# KiCad board A0180_eol_ecu_mix.kicad_pcb (continued)
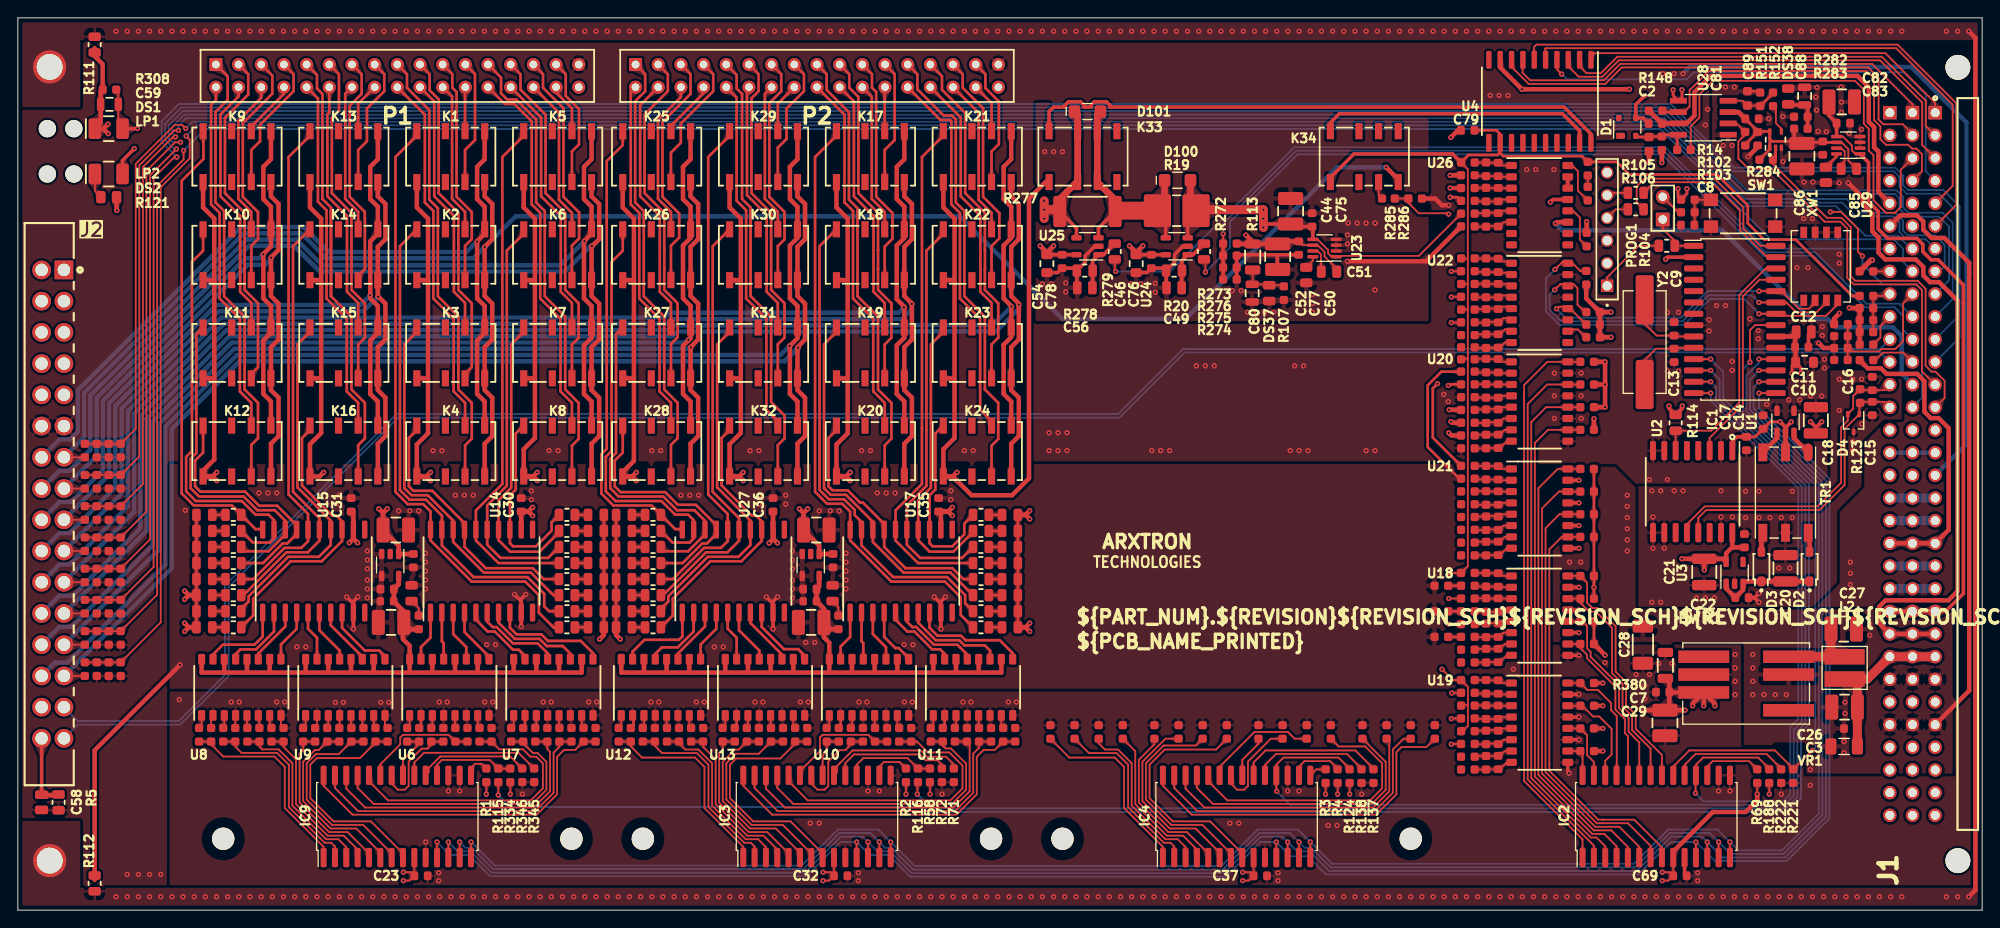
[diagram p0: board, top side]
## Routing (per net, layer and track width the routed paths; a pad name or vN(x,y) marks a point on that pad's centre or on a via; arc(x,y) is an arc through that point) (continued)
/IO_EXPANDER_#1/ISO_GPB3: length 5.9
  Top w0.3: 31.23,33.3 31.23,31.53 29.47,29.77 U8.9
/IO_EXPANDER_#1/ISO_GPB3a: length 27.9
  Top w0.3: K12.8 20.75,51.28 19.85,50.39 19.85,47.5 20.44,46.91 25.44,46.91 27.03,45.33 29.04,45.33 31.23,43.14 ; 31.23,42.15 30.18,41.1 29.66,41.1 27.46,38.9 R48.1
/IO_EXPANDER_#1/ISO_GPB4: length 5.6
  Top w0.3: U9.15 33.5,30.53 32.5,31.53 32.5,33.3
/IO_EXPANDER_#1/ISO_GPB4a: length 56.6
  Top w0.3: R49.1 26.36,37.1 29.86,40.6 31.75,40.6 32.5,41.35 32.5,44.4 30.32,46.58 30.32,84.41 32.72,86.8
/IO_EXPANDER_#1/ISO_GPB5: length 6.1
  Top w0.3: U9.13 36.04,29.1 33.77,31.37 33.77,33.3
/IO_EXPANDER_#1/ISO_GPB5a: length 47.9
  Top w0.3: 25.27,35.3 30.07,40.1 32.47,40.1 33.77,41.39 33.77,43.93 30.82,46.88 30.82,74.41 K14.8
/IO_EXPANDER_#1/ISO_GPB6: length 6.4
  Top w0.3: 35.04,33.3 35.04,31.94 38.58,28.39
/IO_EXPANDER_#1/ISO_GPB6a: length 39.3
  Top w0.3: 25.02,33.78 25.85,34.61 25.85,35.17 30.28,39.6 33.72,39.6 35.04,40.92 35.04,43.66 31.32,47.38 31.32,63.41 32.72,64.8
/IO_EXPANDER_#1/ISO_GPB7: length 7.8
  Top w0.3: 41.12,28.45 40.47,29.1 38.85,29.1 36.31,31.64 36.31,33.3
/IO_EXPANDER_#1/ISO_GPB7a: length 31.3
  Top w0.3: R52.1 26.35,33.03 26.35,34.9 30.55,39.1 34.04,39.1 36.31,41.37 36.31,43.59 35.7,44.2 35.21,44.2 31.82,47.59 31.82,52.91 32.72,53.8
/IO_EXPANDER_#2/A1: length 3.5
  Top w0.2: R2.1 98.74,16.6 97,16.6 96.49,16.08
/IO_EXPANDER_#2/GPA0: length 5.3
  Top w0.2: IC3.21 90.13,17.33 90.6,17.8 R73.1 R53.1
/IO_EXPANDER_#2/GPA1: length 9.9
  Top w0.2: 88.87,14.19 89.55,13.5 90.35,13.5 90.77,13.92 90.77,16.65 92.04,17.92 92.68,17.92 93.4,18.65 ; R74.1 R54.1
/IO_EXPANDER_#2/GPA2: length 13.1
  Top w0.2: 90.14,19.65 90.13,19.65 89.83,19.35 89.83,17.81 87.59,15.58 ; 90.14,19.65 89.83,19.34 ; 90.14,19.65 95.25,19.65 R75.1 R55.1
/IO_EXPANDER_#2/GPA3: length 31.7
  Top w0.2: R76.1 R56.1 100.71,18.89 101.93,17.67 104.32,17.67 105.8,16.2 105.8,13.65 104.45,12.3 88.47,12.3 86.32,14.44
/IO_EXPANDER_#2/GPA4: length 32.2
  Top w0.2: R77.1 R57.1 103.6,18.43 103.9,18.12 104.5,18.12 106.2,16.42 106.2,13.48 104.62,11.9 86.85,11.9 85.06,13.7 IC3.25
/IO_EXPANDER_#2/GPA5: length 32.2
  Top w0.2: R78.1 R59.1 ; 83.78,14.4 83.78,13.61 85.9,11.5 104.78,11.5 106.6,13.32 106.6,18.91
/IO_EXPANDER_#2/GPA6: length 34.7
  Top w0.2: 82.51,14.64 82.51,13.69 85.1,11.1 104.95,11.1 107,13.15 107,17.55 107.65,18.2 R79.1 R60.1
/IO_EXPANDER_#2/GPA7: length 38.4
  Top w0.2: R61.1 R80.1 109.42,17.96 108.18,17.96 107.4,17.19 107.4,12.99 105.11,10.7 84.48,10.7 81.25,13.93 81.25,14.64
/IO_EXPANDER_#2/GPB0: length 23.1
  Top w0.2: R81.1 R62.1 68.65,18.35 69.9,17.1 75.85,17.1 76.9,16.05 76.9,11.45 81.25,7.1 IC3.1
/IO_EXPANDER_#2/GPB1: length 21.7
  Top w0.2: IC3.2 82.51,7.13 82.1,7.55 81.36,7.55 77.35,11.56 77.35,16.3 76.05,17.6 72.15,17.6 71.35,18.4 R63.1 R82.1
/IO_EXPANDER_#2/GPB2: length 19.2
  Top w0.2: R83.1 R64.1 ; 74.05,18.7 74.75,18 76.22,18 77.75,16.47 77.75,11.72 81.52,7.95 82.9,7.95 83.78,7.06 83.78,6.55
/IO_EXPANDER_#2/GPB3: length 18.3
  Top w0.2: 85.06,6.79 83.5,8.35 81.69,8.35 78.15,11.89 78.15,16.9 76.76,18.29 76.76,19.22 ; R84.1 R65.1
/IO_EXPANDER_#2/GPB4: length 18.5
  Top w0.2: R66.1 R85.1 78.95,17.97 78.55,17.58 78.55,12.05 81.85,8.75 83.93,8.75 86.32,6.36
/IO_EXPANDER_#2/GPB5: length 20.4
  Top w0.2: R67.1 R86.1 80.74,17.99 80.31,17.99 78.95,16.63 78.95,12.22 82.02,9.15 84.9,9.15 87.59,6.45
/IO_EXPANDER_#2/GPB6: length 23.5
  Top w0.2: 88.87,6.36 85.67,9.55 82.18,9.55 79.35,12.38 79.35,16.47 80.41,17.53 82.98,17.53 R87.1 R68.1
/IO_EXPANDER_#2/GPB7: length 26.3
  Top w0.2: 87.05,18.65 85.4,17 80.45,17 79.75,16.3 79.75,12.55 82.35,9.95 86.54,9.95 90.13,6.36 ; R88.1 R70.1
/IO_EXPANDER_#2/INTA: length 16.1
  Top w0.2: IC3.20 91.74,15.44 91.74,16.15 93.49,17.9 101.12,17.9 101.82,17.2 103.96,17.2 104.83,16.33 R71.1
/IO_EXPANDER_#2/INTB: length 13.5
  Top w0.2: IC3.19 92.68,16.47 93.65,17.45 101.01,17.45 101.66,16.8 103.01,16.8 103.49,16.33 R72.1
/IO_EXPANDER_#2/ISO_GPA0: length 5.6
  Top w0.3: 93.22,33.3 93.22,30.62 92.15,29.55 U10.15
/IO_EXPANDER_#2/ISO_GPA0a: length 67.9
  Top w0.3: 91.69,86.8 89.29,84.41 89.29,46.87 90.61,45.55 92.33,45.55 93.22,44.66 93.22,41.43 97.82,36.83 103.82,36.83 105.6,35.05 105.6,33.08 R89.1
/IO_EXPANDER_#2/ISO_GPA1: length 5.3
  Top w0.3: U10.13 94.69,29.93 94.49,30.14 94.49,33.3
/IO_EXPANDER_#2/ISO_GPA1a: length 54.4
  Top w0.3: 94.49,42.7 94.49,40.87 98.03,37.33 104.07,37.33 106.1,35.3 106.1,34.38 R90.1 ; 94.49,43.51 93.72,44.28 93.72,44.87 92.54,46.05 90.82,46.05 89.79,47.08 89.79,74.41 K18.8
/IO_EXPANDER_#2/ISO_GPA2: length 5.8
  Top w0.3: U10.11 97.23,29.47 95.76,30.94 95.76,33.3
/IO_EXPANDER_#2/ISO_GPA2a: length 40.3
  Top w0.3: 95.76,42.7 95.76,41.27 99.2,37.83 104.46,37.83 R91.1 ; 95.76,43.44 95.76,43.53 92.74,46.55 91.03,46.55 90.29,47.29 90.29,63.41 91.69,64.8
/IO_EXPANDER_#2/ISO_GPA3: length 6.4
  Top w0.3: 99.77,28.26 98.66,29.38 98.28,29.38 97.03,30.62 97.03,33.3
/IO_EXPANDER_#2/ISO_GPA3a: length 28.1
  Top w0.3: R92.1 105.89,37.1 104.66,38.33 99.41,38.33 97.03,40.7 97.03,42.7 ; 91.69,53.8 90.79,52.91 90.79,47.5 91.24,47.05 92.95,47.05 94.32,45.68 94.65,45.68 96.96,43.37 97.03,43.37
/IO_EXPANDER_#2/ISO_GPA4: length 7.7
  Top w0.3: 98.3,32.54 99.62,31.22 100.42,31.22 102.41,29.23 103.29,29.23 103.8,28.72 U11.15
/IO_EXPANDER_#2/ISO_GPA4a: length 57.3
  Top w0.3: R93.1 100.82,38.9 98.3,41.42 98.3,44.8 100.61,47.11 100.61,47.11 101.26,47.76 101.26,54.03 101.26,54.03 101.26,84.41 103.66,86.8
/IO_EXPANDER_#2/ISO_GPA5: length 10.1
  Top w0.3: 106.34,27.84 106.34,28.64 105.22,29.75 102.6,29.75 100.62,31.72 100.18,31.72 99.57,32.33 99.57,33.3
/IO_EXPANDER_#2/ISO_GPA5a: length 45.1
  Top w0.3: R94.1 105.75,39.47 101.04,39.47 99.57,40.95 99.57,45.36 101.11,46.9 101.11,46.9 101.76,47.55 101.76,53.82 101.76,53.82 101.76,73.91 103.66,75.8
/IO_EXPANDER_#2/ISO_GPA6: length 11.7
  Top w0.3: 100.84,33.3 100.84,32.21 102.8,30.25 105.43,30.25 106.01,29.67 108.3,29.67 108.88,29.1 108.88,27.84
/IO_EXPANDER_#2/ISO_GPA6a: length 32.2
  Top w0.3: R95.1 106.98,42.38 104.78,40.17 102.12,40.17 100.84,41.46 100.84,45.93 102.26,47.35 102.26,63.41 103.66,64.8
/IO_EXPANDER_#2/ISO_GPA7: length 13
  Top w0.3: 111.42,27.93 111.42,28.81 109.97,30.25 106.14,30.25 105.64,30.75 103.01,30.75 102.11,31.65 102.11,33.3
/IO_EXPANDER_#2/ISO_GPA7a: length 21
  Top w0.3: K24.8 102.76,53.41 102.76,47.14 102.11,46.49 102.11,41.12 102.46,40.78 104.67,40.78 106,42.1 106,43.32 R96.1
/IO_EXPANDER_#2/ISO_GPB0: length 10
  Top w0.3: 74.42,33.3 74.42,30.67 74.05,30.3 70.17,30.3 68.85,28.98 68.85,27.84
/IO_EXPANDER_#2/ISO_GPB0a: length 52.3
  Top w0.3: K25.8 67.75,85.75 65.95,83.95 65.95,51.7 65.35,51.1 65.35,46.7 66.7,45.35 70.97,45.35 R97.1 73.62,42.7 74.42,42.7
/IO_EXPANDER_#2/ISO_GPB1: length 8
  Top w0.3: U12.13 71.39,28.72 72.12,29.45 73.91,29.45 75.69,31.23 75.69,33.3
/IO_EXPANDER_#2/ISO_GPB1a: length 47.7
  Top w0.3: U27.19 75.69,41.65 75.24,41.2 73.32,41.2 R98.1 ; K26.8 67.75,73.89 66.5,72.64 66.5,51.44 65.85,50.8 65.85,46.94 66.94,45.85 72.09,45.85 73.61,44.33 75.07,44.33 75.69,43.71 75.69,42.7
/IO_EXPANDER_#2/ISO_GPB2: length 6.4
  Top w0.3: U12.11 73.93,28.77 76.96,31.8 76.96,33.3
/IO_EXPANDER_#2/ISO_GPB2a: length 37.6
  Top w0.3: 76.96,42.7 76.96,43.64 75.78,44.83 73.82,44.83 72.29,46.35 67.29,46.35 66.35,47.29 66.35,50.59 67,51.24 67,64.55 K27.8 ; R99.1 72.5,40.22 75.07,40.22 76.96,42.11
/IO_EXPANDER_#2/ISO_GPB3: length 5.9
  Top w0.3: U12.9 76.47,29.77 78.23,31.53 78.23,33.3
/IO_EXPANDER_#2/ISO_GPB3a: length 27.9
  Top w0.3: R100.1 74.46,38.9 76.66,41.1 77.18,41.1 78.23,42.15 ; K28.8 67.75,51.28 66.85,50.39 66.85,47.5 67.5,46.85 72.5,46.85 73.92,45.43 75.94,45.43 78.23,43.14
/IO_EXPANDER_#2/ISO_GPB4: length 5.6
  Top w0.3: U13.15 80.5,30.53 79.5,31.53 79.5,33.3
/IO_EXPANDER_#2/ISO_GPB4a: length 56.6
  Top w0.3: 79.72,86.8 77.32,84.41 77.32,46.58 79.5,44.4 79.5,41.35 78.75,40.6 76.86,40.6 73.36,37.1 R101.1
/IO_EXPANDER_#2/ISO_GPB5: length 6.1
  Top w0.3: 80.77,33.3 80.77,31.37 83.04,29.1 U13.13
/IO_EXPANDER_#2/ISO_GPB5a: length 47.9
  Top w0.3: 79.72,76.3 77.82,74.41 77.82,46.88 80.77,43.93 80.77,41.39 79.47,40.1 77.07,40.1 72.27,35.3
/IO_EXPANDER_#2/ISO_GPB6: length 6.6
  Top w0.3: 82.04,33.3 82.04,32.19 85.58,28.64 U13.11
/IO_EXPANDER_#2/ISO_GPB6a: length 39.3
  Top w0.3: 72.02,33.78 72.85,34.61 72.85,35.17 77.28,39.6 80.72,39.6 82.04,40.92 82.04,43.66 78.32,47.38 78.32,63.41 79.72,64.8
/IO_EXPANDER_#2/ISO_GPB7: length 7.9
  Top w0.3: 83.31,33.3 83.31,31.74 85.8,29.25 87.4,29.25 88.12,28.53 88.12,28.33
/IO_EXPANDER_#2/ISO_GPB7a: length 31.3
  Top w0.3: R110.1 73.35,33.03 73.35,34.9 77.55,39.1 81.04,39.1 83.31,41.37 83.31,43.59 82.7,44.2 82.21,44.2 78.82,47.59 78.82,52.91 79.72,53.8
/IO_EXPANDER_#3/A0: length 2
  Top w0.2: R3.2 145.43,15.78 IC4.15
/IO_EXPANDER_#3/A1: length 4.9
  Top w0.2: 143.49,16.08 144.1,16.7 146.98,16.7 147.81,15.87
/IO_EXPANDER_#3/GPA0: length 4.9
  Top w0.2: 138.95,19.22 138.95,18.65 137.13,16.83 IC4.21
/IO_EXPANDER_#3/GPA1: length 10
  Top w0.2: 135.87,14.19 136.55,13.5 137.35,13.5 137.77,13.92 137.77,16.65 140.33,19.22 141.65,19.22
/IO_EXPANDER_#3/GPA2: length 11.7
  Top w0.2: 134.59,16.06 136.83,18.3 136.83,18.31 138.49,19.97 142.25,19.97 143,19.22 144.35,19.22
/IO_EXPANDER_#3/GPA3: length 30.6
  Top w0.2: 133.32,14.44 135.47,12.3 151.45,12.3 152.8,13.65 152.8,16.45 150.9,18.35 147.92,18.35 147.06,19.22
/IO_EXPANDER_#3/GPA4: length 30.8
  Top w0.2: 150.6,19.22 153.2,16.62 153.2,13.48 151.62,11.9 133.85,11.9 132.06,13.7 IC4.25
/IO_EXPANDER_#3/GPA5: length 30.8
  Top w0.2: 130.78,14.4 130.78,13.61 132.9,11.5 151.78,11.5 153.6,13.32 153.6,18.91
/IO_EXPANDER_#3/GPA6: length 34.7
  Top w0.2: 129.51,14.64 129.51,13.69 132.1,11.1 151.95,11.1 154,13.15 154,18.02 155.2,19.22 R126.1
/IO_EXPANDER_#3/GPA7: length 38.8
  Top w0.2: R127.1 157.77,18.28 154.98,18.28 154.4,17.7 154.4,12.99 152.11,10.7 131.48,10.7 128.25,13.93 128.25,14.64
/IO_EXPANDER_#3/GPB0: length 21.5
  Top w0.2: IC4.1 128.25,7.1 123.9,11.45 123.9,16.05 122.85,17.1 117.76,17.1 115.65,19.22
/IO_EXPANDER_#3/GPB1: length 20.2
  Top w0.2: IC4.2 129.51,7.13 129.1,7.55 128.36,7.55 124.35,11.56 124.35,16.3 123.05,17.6 119.96,17.6 118.35,19.22
/IO_EXPANDER_#3/GPB2: length 18.4
  Top w0.2: 121.05,19.22 121.05,18.7 121.75,18 123.22,18 124.75,16.47 124.75,11.72 128.52,7.95 129.9,7.95 130.78,7.06 130.78,6.55
/IO_EXPANDER_#3/GPB3: length 16.9
  Top w0.2: 132.06,6.79 130.5,8.35 128.69,8.35 125.15,11.89 125.15,17.82 123.76,19.22
/IO_EXPANDER_#3/GPB4: length 18
  Top w0.2: 127.3,19.22 127.3,18.6 125.55,16.85 125.55,12.05 128.85,8.75 130.93,8.75 133.32,6.36
/IO_EXPANDER_#3/GPB5: length 20.6
  Top w0.2: 130,19.22 128.53,19.22 125.95,16.63 125.95,12.22 129.02,9.15 131.9,9.15 134.59,6.45
/IO_EXPANDER_#3/GPB6: length 23.6
  Top w0.2: 135.87,6.36 132.67,9.55 129.18,9.55 126.35,12.38 126.35,16.47 128.33,18.45 131.94,18.45 132.7,19.22
/IO_EXPANDER_#3/GPB7: length 26.6
  Top w0.2: 135.41,19.21 134.2,18 128.45,18 126.75,16.3 126.75,12.55 129.35,9.95 133.54,9.95 137.13,6.36
/IO_EXPANDER_#3/INTA: length 16.3
  Top w0.2: IC4.20 138.41,16.56 139.75,17.9 149.8,17.9 151.83,15.87
/IO_EXPANDER_#3/INTB: length 13.2
  Top w0.2: 150.49,15.87 148.86,17.5 140.9,17.5 139.68,16.28 IC4.19
/IO_EXPANDER_#4/A2: length 7.2
  Top w0.2: R69.1 193.89,16.7 189.82,16.7 189.22,16.1 IC2.17
/IO_EXPANDER_#4/GPA0: length 28.1
  Top w0.2: U18.16 175.25,37.45 ; IC2.21 184.13,17.39 181.2,20.33 181.2,21.9 180.12,22.98 180.12,25.55 178.95,26.72 178.95,31.82 176.92,33.85 176.37,33.85 176.17,34.05 176.16,34.05 175.76,34.46 175.76,36.69 R195.2
/IO_EXPANDER_#4/GPA1: length 24.9
  Top w0.2: IC2.22 182.87,18.1 180.8,20.16 180.8,21.74 179.72,22.81 179.72,25.38 178.55,26.56 178.55,31.65 176.75,33.45 176,33.45 175,34.44 R197.2 U18.14
/IO_EXPANDER_#4/GPA2: length 21.5
  Top w0.2: U18.12 175.25,32.37 175.76,31.86 175.76,29.33 176.15,28.94 176.15,28.39 179.32,25.22 179.32,22.65 180.4,21.57 180.4,20 181.59,18.8 IC2.23
/IO_EXPANDER_#4/GPA3: length 18.3
  Top w0.2: IC2.24 180.32,19.51 180,19.83 180,21.41 178.93,22.48 178.93,25.05 175.75,28.23 175.75,28.61 175,29.36 R201.2 U18.10
/IO_EXPANDER_#4/GPA4: length 14.4
  Top w0.2: 179.07,15.13 179.07,21.77 178.45,22.4 178.45,23.21 176.97,24.68 175.77,24.68 R196.2 ; 175.25,25.45 U19.16
/IO_EXPANDER_#4/GPA5: length 11.5
  Top w0.2: 175.25,22.91 U19.14 ; IC2.26 177.78,16.73 178.5,17.45 178.5,20.33 177.12,21.7 176.43,21.7 175.22,22.91
/IO_EXPANDER_#4/GPA6: length 7.3
  Top w0.2: U19.12 R200.2 175.76,19.61 175.76,17.38 176.51,16.62 IC2.27
/IO_EXPANDER_#4/GPA7: length 3.9
  Top w0.2: IC2.28 175.25,17.58 ; U19.10 R202.2
/IO_EXPANDER_#4/GPB0: length 63.3
  Top w0.2: IC2.1 175.25,7.93 168.7,14.47 168.7,58.85 171.3,61.45 U20.16 175.25,61.45
/IO_EXPANDER_#4/GPB1: length 61
  Top w0.2: IC2.2 176.51,7.24 169.1,14.65 169.1,56.72 171.28,58.91 U20.14 175.25,58.91
/IO_EXPANDER_#4/GPB2: length 59.1
  Top w0.2: IC2.3 177.78,7.16 176.81,8.14 176.18,8.14 169.5,14.82 169.5,54.7 171.17,56.37 U20.12 175.25,56.37
/IO_EXPANDER_#4/GPB3: length 57
  Top w0.2: IC2.4 179.06,7.17 177.68,8.54 176.34,8.54 169.9,14.98 169.9,52.35 171.38,53.83 U20.10 175.25,53.83
/IO_EXPANDER_#4/GPB4: length 52.5
  Top w0.2: IC2.5 180.32,7.07 178.46,8.94 176.51,8.94 170.3,15.15 170.3,47.28 172.47,49.45 U21.16 175.25,49.45
/IO_EXPANDER_#4/GPB5: length 50.5
  Top w0.2: IC2.6 181.59,7.1 179.36,9.34 176.67,9.34 170.7,15.31 170.7,45.01 172.6,46.91 U21.14 175.25,46.91
/IO_EXPANDER_#4/GPB6: length 48.6
  Top w0.2: IC2.7 182.87,7.21 180.33,9.74 176.84,9.74 171.1,15.48 171.1,42.81 172.66,44.37 U21.12 175.25,44.37
/IO_EXPANDER_#4/GPB7: length 46.4
  Top w0.2: IC2.8 184.13,7.04 181.03,10.14 177,10.14 171.53,15.62 171.53,16.49 171.53,40.44 172.92,41.83 U21.10 175.25,41.83
/IO_EXPANDER_#4/INTB: length 13.2
  Top w0.2: 197.49,15.87 195.86,17.5 187.9,17.5 186.68,16.28 IC2.19
/IOCB0_#4: length 73.1
  Top w0.2: v1(194,61.4) 194,65 194.57,65.56 IC1.21 ; v1(201,17.9) 200.95,17.9 R221.1 ; 198.83,15.87 196.8,17.9 187.2,17.9 185.41,16.11 IC2.20
  Bottom w0.2: v1(194,61.4) 193.2,60.6 193.2,55.75 201.3,47.65 201.3,18.2 v1(201,17.9)
/MISO: length 226.8
  Top w0.2: v1(50.75,7.64) IC9.14 ; v1(191.75,7.64) IC2.14 ; v1(195,61.75) IC1.18 ; v1(144.75,7.64) IC4.14 ; v1(97.75,7.64) IC3.14
  Bottom w0.2: v1(195,61.75) 195,61.33 193.6,59.93 193.6,55.92 201.7,47.82 201.7,10.8 197.6,6.7 192.69,6.7 v1(191.75,7.64) 190.35,9.04 184.84,9.04 181,5.2 147.19,5.2 v1(144.75,7.64) 143.35,9.04 138.88,9.04 134.79,4.95 100.44,4.95 v1(97.75,7.64) 96.35,9.04 91.84,9.04 87.8,5 53.39,5 v1(50.75,7.64)
/MOSI: length 227.4
  Top w0.2: v1(96.49,7.64) IC3.13 ; v1(49.48,7.64) IC9.13 ; v1(195,60.48) IC1.17 ; v1(190.49,7.64) IC2.13 ; v1(143.49,7.64) IC4.13
  Bottom w0.2: v1(195,60.48) 194,59.48 194,56.08 202.1,47.98 202.1,10.63 197.77,6.3 191.82,6.3 v1(190.49,7.64) 189.49,8.64 185.01,8.64 181.17,4.8 147.02,4.8 144.83,6.99 144.13,6.99 v1(143.49,7.64) 142.49,8.64 139.04,8.64 134.95,4.55 100.28,4.55 97.84,6.99 97.13,6.99 v1(96.49,7.64) 95.49,8.64 92.01,8.64 87.97,4.6 53.23,4.6 50.84,6.99 50.13,6.99 v1(49.48,7.64)
/nCS: length 228.1
  Top w0.2: v1(187.94,7.64) IC2.11 ; v1(46.94,7.64) IC9.11 ; v1(140.94,7.64) IC4.11 ; v1(195,57.94) 196.91,57.94 ; v1(93.94,7.64) IC3.11
  Bottom w0.2: v1(195,57.94) 195,56.25 202.9,48.35 202.9,10.3 198.1,5.5 190.09,5.5 v1(187.94,7.64) 185.14,7.64 181.5,4 146.5,4 144.46,6.04 142.54,6.04 v1(140.94,7.64) 139.17,7.64 135.28,3.75 99.95,3.75 97.51,6.19 95.39,6.19 v1(93.94,7.64) 92.14,7.64 88.3,3.8 52.9,3.8 50.51,6.19 48.39,6.19 v1(46.94,7.64)
/nRST1: length 10
  Top w0.2: R334.1 R115.2 52.85,16.83 47.48,16.83 46.94,16.3 IC9.18
/nRST2: length 10.2
  Top w0.2: R58.1 R116.2 99.63,17.05 94.7,17.05 93.94,16.3 IC3.18
/nRST3: length 123.9
  Top w0.2: 149.15,15.87 147.92,17.1 141.75,17.1 140.94,16.3 IC4.18 140.94,13.36 v1(141,13.3) ; v1(189.6,59.22) IC1.13
  Bottom w0.2: v1(141,13.3) 142.5,11.8 197.87,11.8 198.9,12.83 198.9,20.23 199.8,21.13 199.8,47.46 190.2,57.06 190.2,58.61 v1(189.6,59.22)
/nRST4: length 74.8
  Top w0.2: IC2.18 187.94,16.3 188.75,17.1 194.92,17.1 196.15,15.87 ; v1(187.9,13.1) 187.9,15.06 ; v1(189.6,57.94) 187.69,57.94
  Bottom w0.2: v1(189.6,57.94) 189.6,57.09 199.4,47.29 199.4,21.4 198.5,20.5 198.5,13 197.7,12.2 188.8,12.2 v1(187.9,13.1)
/OUT_PS+: length 149.3
  Top w0.4: U25.4 118.56,76.43 R277.2
  Top w0.75: R277.2 116.69,79.69 118.6,81.6 K33.2 K33.7 118.69,89.15 D101.1
  Top w1: v1(114.95,79.5) v1(114.95,77.5) ; v1(114.95,78.5) 116.5,78.5
  In2.Cu w1: 110.5,78.25 111.75,79.5 v1(114.95,79.5) ; 110.5,78.25 110.75,78.5 v1(114.95,78.5) ; 110.5,78.25 109.5,77.25 ; v1(114.95,77.5) 109.75,77.5 109.5,77.25 ; 109.5,77.25 104.18,71.92 76.72,71.92 69.7,64.9 8.51,64.9 J2.3 J2.4
/PIC18F26K83/nRST1a: length 204.9
  Top w0.2: v1(53.8,12.9) 53.81,12.91 R115.1 ; v1(189.6,61.75) IC1.11
  Bottom w0.2: v1(53.8,12.9) 55.15,11.55 101.45,11.55 102,11 198.2,11 199.7,12.5 199.7,19.9 200.6,20.8 200.6,47.79 191,57.39 191,60.36 v1(189.6,61.75)
/PIC18F26K83/nRST2a: length 155.5
  Top w0.2: 100.75,14.26 100.75,13.01 v1(100.74,13) ; v1(189.6,60.48) IC1.12
  Bottom w0.2: v1(189.6,60.48) 190.6,59.48 190.6,57.22 200.2,47.62 200.2,20.97 199.3,20.07 199.3,12.67 198.03,11.4 102.34,11.4 v1(100.74,13)
/PIC18F26K83/OSC1: length 8.6
  Top w0.2: Y2.1 182.2,65.72 183.53,64.39 C9.1 ; IC1.9 185.6,64.3
/PIC18F26K83/OSC2: length 8.7
  Top w0.2: IC1.10 185.6,63.03 ; C13.1 183.47,62.92 182.2,61.65 Y2.2
/PIC18F26K83/PGC: length 1.9
  Top w0.2: 178.42,80.39 R105.1
/PIC18F26K83/PGD: length 2.7
  Top w0.2: R106.1 178.96,78.54 PROG1.4
/PIC18F26K83/~{MCLR_1}: length 9.2
  Top w0.2: PROG1.1 178,70.92 181.53,74.45 R104.1 ; 178,69.71 178,70.67
/PIC18F26K83/~{MCLR}: length 5.1
  Top w0.2: IC1.1 R104.2 ; JP1.1 184.22,76.35 185.57,75.01
/POS_ID_BIT1: length 44.6
  Top w0.2: 203.83,67.92 202.52,66.61 197.14,66.61 ; R265.2 174.99,71.63 173.93,72.7 ; 173.59,72.7 173.05,72.7 v1(172.15,71.8) ; v1(195,66.83) IC1.22
  Bottom w0.2: v1(172.15,71.8) 171.15,70.8 171.15,67.13 172.68,65.6 186.62,65.6 189.53,68.5 193.34,68.5 v1(195,66.83)
/POS_ID_BIT2: length 42.5
  Top w0.2: v1(195,68.11) IC1.23 198.07,68.11 199.17,67 201.45,67 202.56,68.11 ; v1(172.12,69.52) 172.76,70.16 174.24,70.16 174.68,69.72 174.68,67.87 175.53,67.02
  Bottom w0.2: v1(195,68.11) 194.21,68.9 189.36,68.9 186.46,66 172.85,66 171.55,67.3 171.55,68.95 v1(172.12,69.52)
/POS_ID_BIT3: length 35.3
  Top w0.2: v1(172.32,67.4) 172.54,67.62 173.59,67.62 ; 201.29,68.08 200.61,67.41 199.5,67.41 197.53,69.38 ; v1(195,69.38) IC1.24 ; 175.64,65.64 173.66,67.62
  Bottom w0.2: v1(195,69.38) 189.27,69.38 186.29,66.4 173.32,66.4 v1(172.32,67.4)
/PS+: length 139.1
  Top w0.2: U23.5 145.57,75.17 146.75,73.99 146.75,73.6 147.12,73.22 147.66,73.22 ; R153.1 156.91,73.33 147.76,73.33
  Top w0.4: v1(139.5,76.5) 139.9,76.9 C44.1 ; U23.5 145.04,76.52 ; U24.3 131.03,77.46 ; C75.2 142.84,76.61
  Top w0.75: D100.2 131.33,79.01
  Top w1: 132.06,78.5 v1(139.5,78.5) v1(139.5,77.5) v1(139.5,76.5)
  In2.Cu w1: J1.C19 206.28,43.65 198.75,51.17 159.07,51.17 150.85,59.4 150.85,67.15 141.5,76.5 ; v1(139.5,77.5) 140.5,77.5 141.5,76.5 ; 141.5,76.5 v1(139.5,76.5) ; 141.5,76.5 v1(139.5,78.5)
  Bottom w1: J1.C19 J1.B19 J1.A19
/PS-: length 326.5
  Top w0.4: R274.1 R275.1 R276.1 ; C46.1 126.45,71.45 C76.1 128.33,71.95 ; 118.33,71.95 C78.1 116.45,71.45 C54.1 ; 141.05,73.45 141.05,71.85 ; 141.05,73.45 136.6,73.45 ; 141.05,73.45 C77.1 ; U24.2 130.47,74.4 129.54,73.47 129.54,72.61 R20.2 128.61,69.79 ; 118.61,69.79 R278.2 119.54,72.61 119.54,73.33 120.61,74.4 U25.2
  Top w0.5: 161.64,76.64 157.72,72.72 v1(148.91,72.72) ; R11.2 207.19,60.72 208.66,60.72 209.29,60.09 212.72,60.09 213.54,59.28 213.54,55.85 214.25,55.14 215.13,55.14 216.25,54.02 216.25,42.62 J1.A20 J1.B20 J1.C20
  Top w0.6: v1(207.7,72.84) 207.54,72.84 206.29,71.59 R12.2
  In1.Cu w0.6: v1(207.7,72.84) 215.26,72.84 217.12,70.98 217.12,43.49 J1.A20
  In2.Cu w1: 149.41,65.41 146.82,68 v1(145,68) ; 149.41,65.41 147.82,67 v1(145,67) ; 149.41,65.41 145.82,69 v1(145,69) ; 149.41,65.41 149.41,59.09 158.47,50.03 158.53,50.03 158.58,49.97 198.26,49.97 207.12,41.11 J1.C20 ; v1(114.75,70.2) 114.53,70.42 76.92,70.42 70.19,63.7 6.21,63.7 J2.5 J2.6
  vias: v1(115,85) v1(115.75,70.2) v1(116,85) v1(117,85) v1(117.36,70.29) v1(117.36,69.29) v1(124.75,70.2) v1(125.75,70.2) v1(127.4,70.25) v1(127.4,69.25) v1(136.01,69.43) v1(137.01,69.43) v1(137.74,67.02) v1(138.74,67.02) v1(139.65,67.02) v1(140.65,67.02) v1(148.91,75.67) v1(148.91,74.67) v1(149,77) v1(150,77) v1(151,77) v1(152,77) v1(152,69.5)
/PSs+: length 241.9
  In2.Cu w0.5: J2.1 7.21,71.75 12.86,66.1 69.2,66.1 76.41,73.31 103.31,73.31 113.5,83.5 136.5,83.5 151.8,68.2 151.8,59.95 159.62,52.12 199.15,52.12 205.08,46.19 J1.C18
  In2.Cu w1: J2.2 J2.1
  Bottom w1: J1.A18 J1.B18 J1.C18
/PSs-: length 228.1
  In2.Cu w0.5: J1.C21 208.32,38.57 197.89,49 157.75,49 141.2,65.55 117.4,65.55 113.72,69.22 77.6,69.22 69.63,61.25 J2.7
  In2.Cu w1: J2.8 J2.7
  Bottom w1: J1.A21 J1.B21 J1.C21
/RTN_CFG_CH#0: length 97.8
  Top w0.5: K3.5 52.28,67.72 51.44,68.56 51.44,74.95 52.28,75.81 ; K2.5 52.28,78.84 51.44,79.69 51.44,83.31 52.28,84.16 K1.5 ; K4.5 52.28,57 51.44,57.86 51.44,63.83 52.28,64.69
  Bottom w0.5: J2.14 4.66,52.75 5.85,52.75 6.72,53.62 6.72,58.26 25.01,76.55 32.02,76.55 34.81,73.76 50.26,73.76 v1(51.43,74.93)
/RTN_CFG_CH#1: length 112.8
  Top w0.5: K8.5 64.25,57 63.41,57.86 63.41,63.28 64.25,64.14 K7.5 64.25,67.72 63.41,68.56 63.41,74.95 64.25,75.81 ; K6.5 64.25,78.84 63.41,79.69 63.41,83.31 64.25,84.16 K5.5
  Bottom w0.5: J2.16 4.66,49.25 5.78,49.25 8.12,51.59 8.12,57.68 25.59,75.15 31.22,75.15 34.1,72.28 60.75,72.28 v1(63.45,74.97)
/RTN_CFG_CH#2: length 76.2
  Top w0.5: K12.5 28.34,57 27.5,57.86 27.5,63.83 28.34,64.69 ; K9.5 28.34,84.16 27.5,83.31 27.5,79.69 28.34,78.84 K10.5 28.34,74.39 27.5,73.53 27.5,68.56 28.34,67.72 K11.5
  Bottom w0.5: J2.18 4.66,45.75 5.95,45.75 9.52,49.32 9.52,57.1 25.46,73.05 27.02,73.05 v1(27.47,73.5)
/RTN_CFG_CH#3: length 88
  Top w0.5: 40.31,64.69 39.47,63.83 39.47,57.86 40.31,57 K16.5 ; 40.31,75.81 39.47,74.95 39.47,68.56 40.31,67.72 K15.5 ; K13.5 40.31,84.16 39.47,83.31 39.47,79.69 40.31,78.84 K14.5
  Bottom w0.5: J2.20 4.66,42.25 5.78,42.25 10.92,47.39 10.92,56.52 22.21,67.81 38.37,67.81 v1(39.46,68.9)
/RTN_CFG_CH#4: length 150.7
  Top w0.5: 99.28,87.3 99.28,84.16 98.44,83.31 98.44,79.69 99.28,78.84 99.28,75.33 98.44,74.48 98.44,68.47 99.28,67.62 99.28,64.14 98.44,63.3 98.44,57.86 99.28,57 99.28,54.3
  Bottom w0.5: v1(99.24,67.55) 98.64,66.95 72.97,66.95 72.43,66.41 22.79,66.41 12.32,55.94 12.32,45.29 5.78,38.75 4.66,38.75 J2.22
/RTN_CFG_CH#5: length 165.3
  Top w0.5: K21.5 111.25,84.16 110.41,83.31 110.41,79.69 111.25,78.84 K22.5 111.25,75.33 110.41,74.48 110.41,68.56 111.25,67.72 K23.5 111.25,64.22 110.41,63.36 110.41,57.86 111.25,57 K24.5
  Bottom w0.5: v1(111.28,67.64) 109.21,65.57 99.35,65.57 99.33,65.55 73.55,65.55 73.01,65.01 23.37,65.01 13.72,55.36 13.72,42.8 6.17,35.25 4.66,35.25 J2.24
/RTN_CFG_CH#6: length 129.8
  Top w0.5: K28.5 75.34,57 74.5,57.86 74.5,63.24 75.34,64.09 K27.5 75.34,67.72 74.5,68.56 74.5,74.48 75.34,75.33 K26.5 75.34,78.84 74.5,79.69 74.5,83.31 75.34,84.16 K25.5
  Bottom w0.5: J2.26 4.66,31.75 5.95,31.75 15.12,40.92 15.12,54.78 23.95,63.61 74.8,63.61 v1(75.1,63.92)
/RTN_CFG_CH#7: length 143.3
  Top w0.5: K29.5 87.31,84.16 86.47,83.31 86.47,79.69 87.31,78.84 K30.5 87.31,75.33 86.47,74.48 86.47,68.56 87.31,67.72 K31.5 87.31,64.09 86.47,63.24 86.47,57.86 87.31,57 K32.5
  Bottom w0.5: J2.28 4.16,27.75 5.55,27.75 16.52,38.72 16.52,54.2 24.53,62.21 85.4,62.21 v1(86.43,63.24)
/RTSIa: length 42.9
  Top w0.2: J1.A14 215.79,57.4 215.79,59.33 214.77,60.35 214.33,60.35 213.67,61.01 213.67,69.64 212.77,70.54 205.78,70.54 205.29,71.02 205.29,76.54 204.25,77.59 202.61,77.59 196.57,83.63 R284.1
  Top w0.3: R284.1 196.87,84.39 U30.2
/SCK: length 228.1
  Top w0.2: v1(189.22,7.64) IC2.12 ; v1(48.22,7.64) IC9.12 ; v1(195,59.22) IC1.16 ; v1(95.22,7.64) IC3.12 ; v1(142.22,7.64) IC4.12
  Bottom w0.2: v1(195,59.22) 194.4,58.61 194.4,56.25 202.5,48.15 202.5,10.47 197.93,5.9 190.96,5.9 v1(189.22,7.64) 188.62,8.24 185.17,8.24 181.33,4.4 146.86,4.4 144.67,6.59 143.26,6.59 v1(142.22,7.64) 141.62,8.24 139.21,8.24 135.12,4.15 100.11,4.15 97.67,6.59 96.26,6.59 v1(95.22,7.64) 94.62,8.24 92.17,8.24 88.13,4.2 53.06,4.2 50.67,6.59 49.26,6.59 v1(48.22,7.64)
/SIM_PWR: length 242.4
  Top w0.2: U29.1 205.79,84.75 205.41,85.13 205.41,85.69 204.4,86.7 U29.5
  Top w0.4: J1.A23 215.91,33.49 217.9,35.48 217.9,68.04 217.9,70.06 215.07,72.89 214.27,72.89 213.35,73.81 213.35,74.61 212.68,75.28 209.41,75.28 208.35,76.35 208.35,78.32 207.28,79.39 207.28,83.79 U29.1 ; C83.2 202.85,89.06 202.85,90.58 ; U29.5 203.7,88.16
  Top w0.5: J1.A23 J1.B23 J1.C23 ; R156.2 v1(175.71,77.16) 175.72,77.18 ; v1(160.3,56.08) 161.62,56.08
  In2.Cu w0.4: 212.7,82.95 215.17,82.95 217.25,80.87 217.25,36 J1.A23
  In2.Cu w0.5: v1(175.71,77.16) 177.52,78.97 181.26,78.97 184.49,82.2 188,82.2 190.2,80 195.75,80 198.75,83 212.65,83 212.7,82.95 ; J1.A23 213.54,34.69 213.54,46.6 212.74,47.39 211.81,47.39 211,48.2 211,49.1 210.16,49.93 204.07,49.93 200.4,53.6 162.78,53.6 v1(160.3,56.08)
